# Allegro board ADRV9371-N_PCBZ_Layout_RevB.brd (continued)
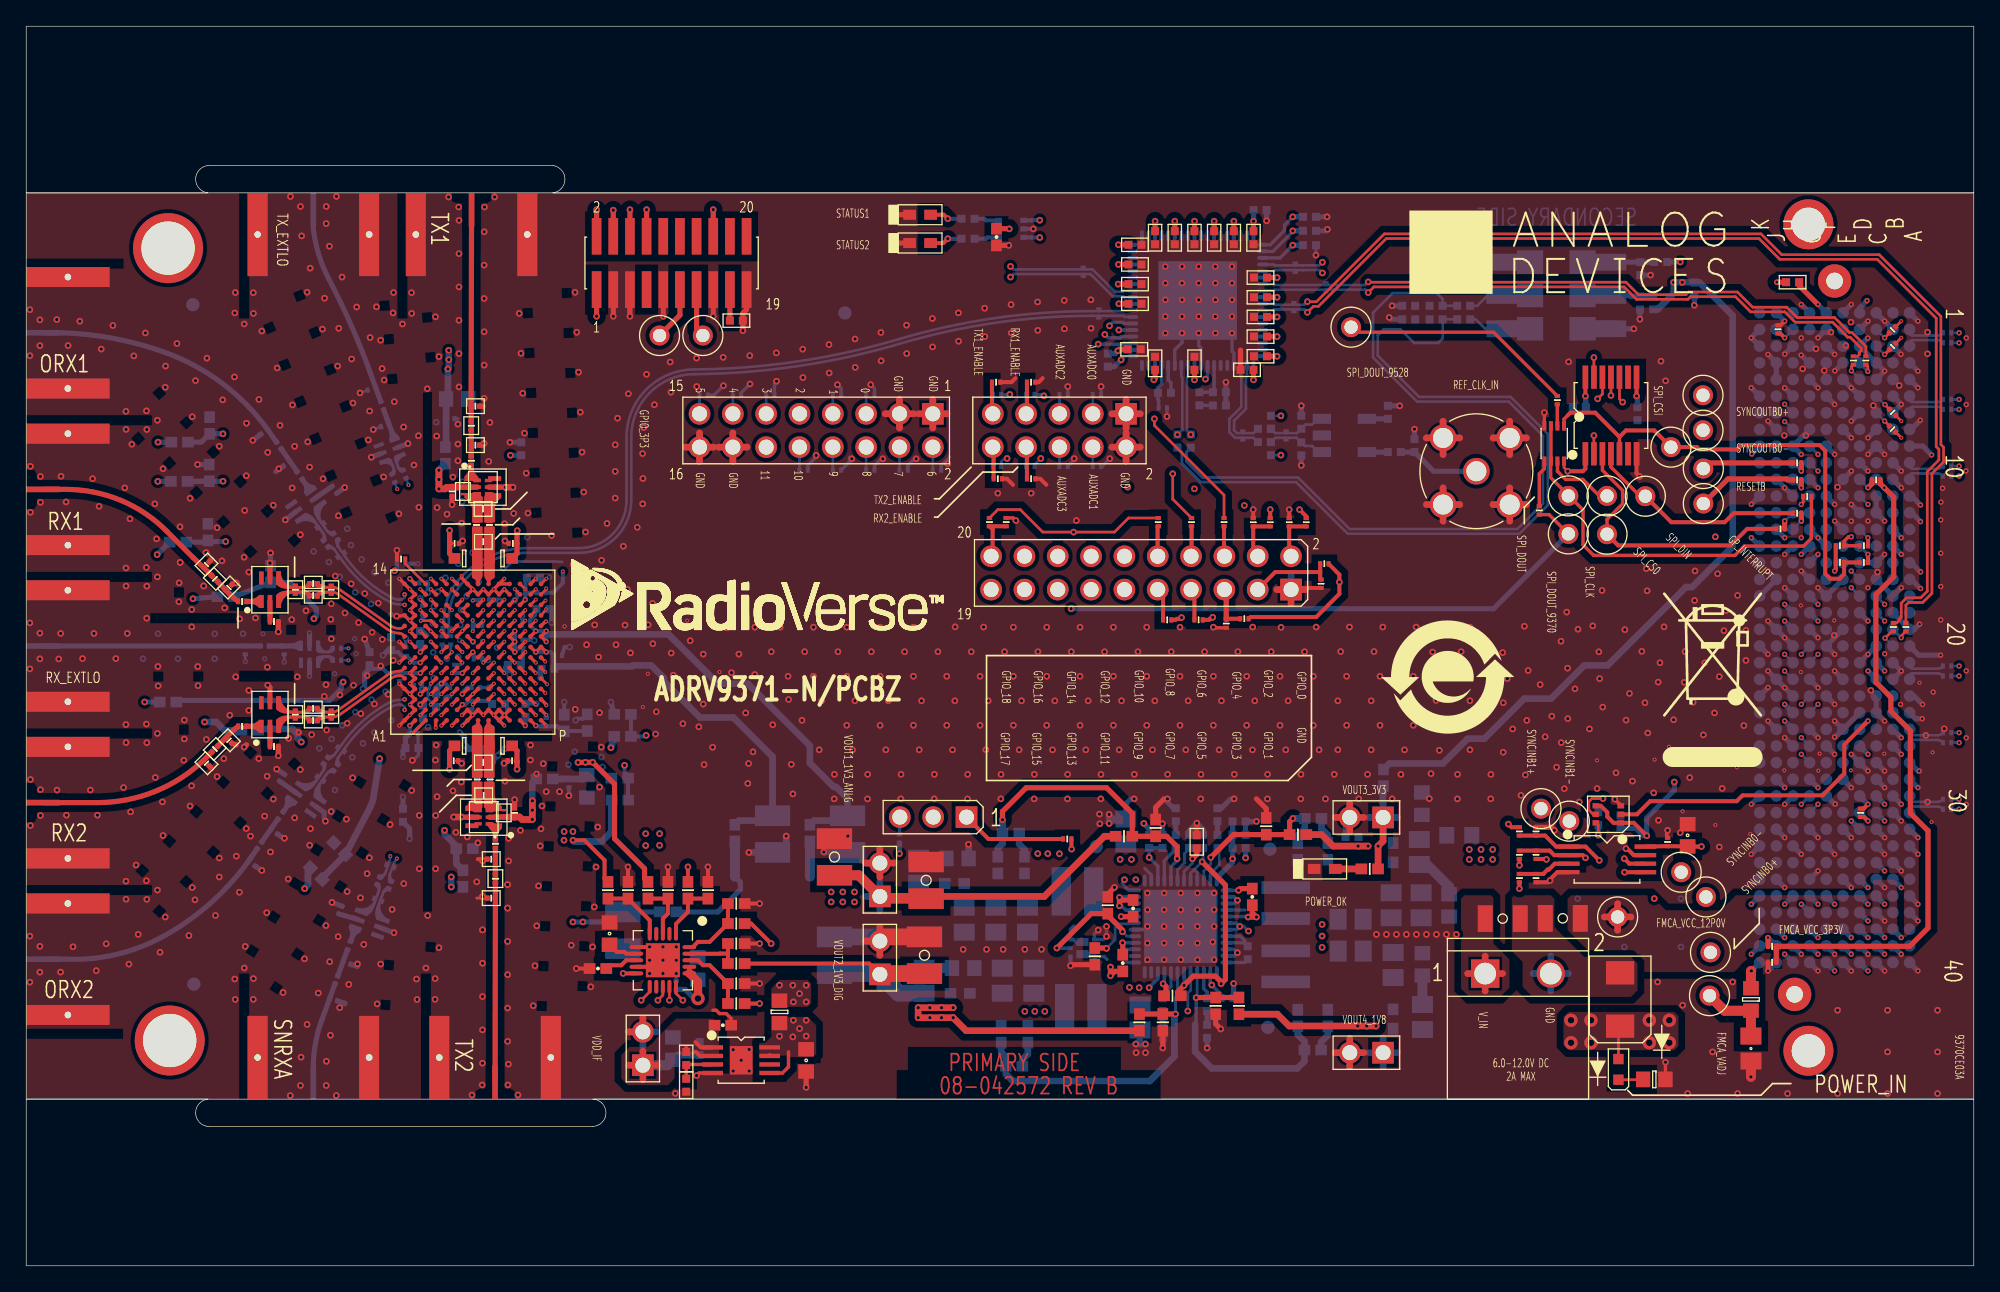
[diagram p0: board, top side]
## Routing (per net, layer and track width the routed paths; a pad name or vN(x,y) marks a point on that pad's centre or on a via; arc(x,y) is an arc through that point) (continued)
VDD_IF: length 250.6
  TOP w0.203: v1(117.49,60.57) 117.21,60.84 U403.8
  TOP w0.254: U101.M12 v2(38.04,50.78)
  TOP w0.305: U405.1 118.84,60.76 118.64,60.57 v1(117.49,60.57) ; R513.1 97.56,57.13 v1(97.05,57.64) ; 51.01,17.05 51.41,16.64 U702.1 ; 51.03,16.31 51.35,15.99 U702.2 ; R510.1 93.34,49.45 98.32,49.45 100.09,51.22 v1(100.09,52.12) 100.09,52.69 R512.1 ; R739.2 50.3,16.65 ; U405.8 v1(122.74,66.3) ; v1(123.51,32.78) 122.53,33.76 U404.1 120.98,33.76 120.51,34.24 120.51,34.57 120.01,35.06 U404.4 ; R808.1 R809.1 137.92,53.04 v2(137.83,52.96) ; R606.1 55.25,26.09 v1(56.78,24.56) ; R511.1 v1(94.81,57.64)
  TOP w0.394: R503.1 132.75,25.02 v2(132.75,25.02) ; P504.1 v1(43.47,72.38)
  TOP w0.508: 45.92,15.29 P707.1 ; P707.1 47,16.37 ; P707.1 47,14.21 ; P707.1 48.08,15.29
  TOP w0.762: v1(131.48,22.48) 131.45,22.45 R738.2
  L3_PWR w0.508: v1(94.81,57.64) 95.64,58.46 96.52,58.46 97.05,57.93 v1(97.05,57.64) 100.09,54.61 v1(100.09,52.12)
  L3_PWR w0.635: 123.51,29.8 122.21,28.49 119.45,28.49 118.91,27.96 95.23,27.96 93.51,29.67 85.83,29.67 85.37,30.12 80.03,30.12 v1(78.75,31.41) 77.87,31.41 v1(77.86,31.42) v1(77.1,31.42) ; 123.51,29.8 v1(123.51,32.78) ; 123.51,29.8 127.04,26.27 131.5,26.27 v2(132.75,25.02) 132.75,23.75 v1(131.48,22.48)
  L12_PWR w0.203: 56.78,22.65 v1(56.78,24.56)
  L12_PWR w0.508: 125.36,52.88 125.36,59.86 122.74,62.49 v1(122.74,66.3) ; 45.92,15.29 P707.1 ; P707.1 47,14.21 ; P707.1 47,16.37 ; P707.1 48.08,15.29 ; 115.2,53.13 115.2,59.48 116.28,60.57 v1(117.49,60.57)
  L12_PWR w0.762: v1(43.47,72.38) 45.56,74.47 68.34,74.47 69.99,72.82 69.99,68.5 71.38,67.1 71.38,61.39 72.65,60.12 76.97,60.12 78.5,58.59 78.5,57.7 ; 76.08,55.67 48.27,55.67 45.53,52.94 43.63,52.94 41.47,50.78 v2(38.04,50.78)
  BOTTOM w0.305: C642.1 38.05,50.79 v2(38.04,50.78) ; C642.1 38.05,52.33 C643.1 ; C642.1 R502.1
  BOTTOM w0.394: P801.J39 v2(132.75,25.02) ; P801.K40 v1(131.48,22.48) ; C415.2 122.7,33.33 123.26,32.78 v1(123.51,32.78) 123.51,34.14 125.61,36.24 v1(125.61,36.88) ; C417.2 122.81,66.23 v1(122.74,66.3)
  BOTTOM w0.508: C734.2 49.64,16.06 C735.2
  BOTTOM w0.762: C734.2 48.87,15.29 P707.1
VDD_IF_LDO: length 2.9
  TOP w0.254: 58.1,16.32 58.1,15.16 57.63,14.69 U702.5
  TOP w0.305: U702.7 56.66,16.06
  vias: v1(57.41,17.5) v1(58.47,18.72) v1(58.43,17.45) v1(58.94,18.08) v1(59.45,18.72) v1(59.45,17.51)
VDDA_1P8_1: length 8.1
  TOP w0.127: L306.1 36.39,34.2
  TOP w0.394: T310.2 T306.2 35.77,34.2 36.78,34.2
  TOP w0.508: 36.78,34.2 37.21,34.2 C327.1 37.6,34.21 37.79,34.02 v1(38.57,34.02) v1(38.57,34.73) v1(38.57,35.44)
  BOTTOM w0.508: v1(38.57,34.02) v1(38.57,34.73) v1(38.57,35.44) 38.57,36.81 L341.2
VDDA_1P8_2: length 6.7
  TOP w0.127: L305.1 33.28,59.35
  TOP w0.394: 32.9,59.35 33.91,59.35 T305.2 T309.2
  TOP w0.508: 32.9,59.35 32.47,59.35 C322.1 32.05,59.34 31.93,59.22 v1(31.45,59.22) v1(31.45,59.93) v1(31.45,60.64)
  BOTTOM w0.394: 32.01,61.13 L340.2
  BOTTOM w0.508: v1(31.45,59.22) v1(31.45,59.93) v1(31.45,60.64) 31.46,60.64 L340.2
VDDA_CALPLL: length 17.7
  TOP w0.254: v2(33.24,43.58) U101.G4
  L7_SIG w0.203: v2(33.24,43.58) 33.5,43.58 33.88,43.19 34.16,43.19 34.43,42.93 34.43,41.58
  L7_SIG w0.394: v1(31.89,33.19) 31.89,34.88 32.49,35.48 33.03,35.48 34.43,36.88 34.43,41.58
  BOTTOM w0.305: v2(33.24,43.58) 33.24,43.69 33.62,44.07 C615.1
  BOTTOM w0.508: v1(31.89,33.19) 31.89,32.9 32.78,32.01 32.78,30.65 E602.2
VDDA_CLK: length 4.7
  TOP w0.254: v2(38.84,41.18) U101.N1
  BOTTOM w0.305: C616.1 41.03,40.76 E603.2 ; v2(38.84,41.18) 38.89,41.12 C617.1 40.47,41.12 40.86,40.74
  BOTTOM w0.394: C616.1 40.86,40.74
VDDA_CLKSYNTH: length 23.2
  TOP w0.254: v2(33.24,45.18) U101.G6
  L3_PWR w0.127: v1(47.25,40.43) 47,40.69 41.54,40.69 39.99,39.14 36.97,39.14 36.42,39.68 36.06,39.68 34.42,41.33 34.42,44.53 34.2,44.76 33.66,44.76 v2(33.24,45.18)
  BOTTOM w0.305: v1(47.25,40.43) 47.17,40.35 E604.2 46.08,40.36 C618.1 ; C619.1 33.23,45.18 v2(33.24,45.18)
VDDA_DES: length 38.8
  TOP w0.254: v2(39.64,48.38) U101.P9 v2(39.64,47.58) ; U101.N9 v2(38.84,48.38)
  BOTTOM w0.305: C653.1 38.76,49.91 38.76,49.6 38.42,49.26 C654.1 38.42,48.8 v2(38.84,48.38) v2(39.64,48.38) 39.64,48.05 v2(39.64,47.58)
  BOTTOM w0.508: 39.64,48.05 39.71,48.13 48.95,48.13 52.71,44.37 55,44.37 59.73,39.64 59.73,38.32 61.55,36.5 61.73,36.5 62.6,35.63 C652.1 62.23,33.93 60.05,33.93 E613.2
VDDA_RXLO: length 17
  TOP w0.254: U101.C6 v2(30.04,45.18)
  L12_PWR w0.508: v1(20.96,39.92) 21.6,39.92 v3(25.66,43.99)
  BOTTOM w0.203: C621.1 28.46,45.18
  BOTTOM w0.305: v2(30.04,45.18) 27.52,45.18 27.2,45.5 26.45,45.5 C620.1
  BOTTOM w0.394: v3(25.66,43.99) 25.79,44.12 25.79,45.13 26.17,45.51 C620.1
  BOTTOM w0.508: E605.2 17.76,40.92 20.29,40.92 20.71,40.5 20.71,40.18 v1(20.96,39.92)
VDDA_RXSYNTH: length 25.6
  TOP w0.254: U101.G9 v2(34.04,47.58)
  L5_SIG w0.114: v2(34.04,47.58) 33.57,47.11 33.57,46.12 34.39,45.3
  L5_SIG w0.127: 34.39,45.3 34.39,41.1
  L5_SIG w0.203: 43.4,40.98 41.83,40.98 39.99,39.14 37.02,39.14 36.44,39.72 35.77,39.72 34.39,41.1
  L5_SIG w0.305: v1(45.6,38.15) 45.6,38.63 45.81,38.83 45.81,39.75 44.57,40.98 43.4,40.98
  BOTTOM w0.305: C623.1 34.07,47.54 v2(34.04,47.58) ; v1(45.6,38.15) 45.6,37.64 45.87,37.37 C622.1 E606.2
VDDA_RXTX: length 33.8
  TOP w0.203: v2(33.24,42.78) U101.F2
  L10_SIG w0.203: 33.66,41.82 33.66,42.07 33.24,42.49 v2(33.24,42.78) 33.29,42.72 33.56,42.72 33.88,42.39 34.16,42.39 34.42,42.13 34.42,41.82 34.05,41.45 34.03,41.45 33.66,41.82
  L10_SIG w0.394: 34.03,41.45 34.68,40.79 34.68,34.97 35.7,33.96 35.7,30.97 36.93,29.74 36.97,29.74 39.74,26.97 40.9,26.97 v1(41.67,26.21) v1(42.43,26.21)
  BOTTOM w0.305: C609.1 35.26,43.06 C610.1 33.75,43.06 33.47,42.78 v2(33.24,42.78)
  BOTTOM w0.394: v1(41.67,26.21) v1(42.43,26.21) 43.95,26.21 44.71,26.97 C608.1 48.27,26.97
VDDA_RXVCO: length 21.4
  TOP w0.254: U101.C7 v2(30.04,45.98)
  L12_PWR w0.394: v3(27.19,46.53) 26.42,46.53 24.9,45 24.66,45 v1(24.16,44.5)
  BOTTOM w0.305: v2(30.04,45.98) 29.52,45.98 29,46.49 C625.1 28.62,46.49 28.33,46.78 27.96,46.78 C624.1
  BOTTOM w0.394: v3(27.19,46.53) 27.58,46.92 C624.1 ; 11.44,42.97 11.57,43.1 23.12,43.1 24.01,43.99 24.01,44.35 v1(24.16,44.5)
VDDA_SER: length 31.6
  TOP w0.254: v2(39.64,46.78) U101.P8 v2(38.84,46.78) U101.N8
  BOTTOM w0.305: C613.1 39.96,46.78 v2(39.64,46.78) v2(38.84,46.78)
  BOTTOM w0.394: C613.1 40.2,45.56 C612.1
  BOTTOM w0.508: E601.2 54.33,33.93 56.52,33.93 C611.1 56.88,38.8 53.9,41.79 51.36,41.79 48.61,44.54 48.61,44.8 47.63,45.77 46.24,45.77 46.16,45.69 40.48,45.69 40.47,45.69 C612.1
VDDA_SNRXSYNTH: length 23.4
  TOP w0.254: U101.G7 v2(34.04,46.78)
  L12_PWR w0.127: v2(34.04,46.78) 33.61,47.21 33.61,47.73 33.23,48.1 31.11,48.1 31,47.99 30.48,47.99
  L12_PWR w0.394: v1(21.92,49.32) 22.68,50.08 25.59,50.08 27.11,48.56 29.35,48.56 29.91,47.99 30.48,47.99
  BOTTOM w0.305: C627.1 34.11,46.71 v2(34.04,46.78)
  BOTTOM w0.394: v1(21.92,49.32) 22.11,49.51 22.11,50.08 20.11,52.09 C626.1 18.61,52.09 E608.2
VDDA_SNRXVCO: length 19.6
  TOP w0.254: v2(30.04,43.58) U101.C4
  L12_PWR w0.203: 27.17,42.64 28.52,43.99 29.63,43.99 v2(30.04,43.58)
  L12_PWR w0.508: v1(26.93,38.65) 27.31,39.04 27.31,41.19 27.19,41.31 27.19,41.32 27.17,41.34 27.17,42.64
  BOTTOM w0.203: v2(30.04,43.58) 30.04,44.05 30.17,44.18 C629.1
  BOTTOM w0.508: v1(26.93,38.65) 26.43,35.5 26.23,34.97 C628.1 22.56,29.57 E609.2
VDDA_TXLO: length 29.9
  TOP w0.254: v6(33.24,50.78) U101.F12
  L10_SIG w0.394: v5(34.03,50.71) 33.97,50.78 v6(33.24,50.78)
  L12_PWR w0.203: 29.09,53.51 30.64,51.96 31.66,51.96 33.05,50.57 33.89,50.57 v5(34.03,50.71)
  L12_PWR w0.394: v1(15,63.42) 16.84,63.42 17,63.58 17.76,63.58 22.87,58.47 24.77,58.47 29.09,54.15 29.09,53.51
  BOTTOM w0.305: C635.1 34.07,50.75 v5(34.03,50.71)
  BOTTOM w0.394: E612.2 13.34,62.78 C634.1 v1(15,63.42)
VDDA_TXSYNTH: length 30
  TOP w0.254: v6(33.24,47.58) U101.G8
  L10_SIG w0.127: v6(33.24,47.58) 32.85,47.97 29.81,47.97 29.6,48.18 29.6,48.56 29.44,48.72 28.78,48.72 28.74,48.76
  L10_SIG w0.254: 28.74,48.76 27.97,48.76 27.57,49.16 27.57,50.2 27.82,50.46 27.82,52.73 v1(28.08,52.98) 28.08,53.39 25.16,56.31 22.36,56.31 22.11,56.56 20.58,56.56 19.33,55.31 15.3,55.31 v1(15.2,55.21)
  BOTTOM w0.305: v1(28.08,52.98) 28.25,53.15 C633.1
  BOTTOM w0.394: v1(15.2,55.21) 13.94,55.21 C632.1 13.73,55.16 E611.2
VDDA_TXVCO: length 32.5
  TOP w0.254: v6(33.24,49.18) U101.F11
  L5_SIG w0.203: 27.06,49.71 27.98,48.79 30.18,48.79 30.46,48.52 30.46,48.22 30.68,47.99 33.66,47.99 v5(34.04,48.38)
  L5_SIG w0.305: v6(33.24,49.18) 34.01,49.18 v5(34.04,49.21)
  L5_SIG w0.394: 27.06,49.71 25.46,49.71 22.3,52.87 22.3,56.12 19.72,58.69 16.11,58.69 v1(15,59.8)
  BOTTOM w0.305: v5(34.04,48.38) 34.04,48.38 34.04,48.81 ; 34.04,48.81 v5(34.04,49.21) ; 34.04,48.81 C631.1
  BOTTOM w0.394: v1(15,59.8) C630.1 ; C630.1 12.58,59.8 12.57,59.79 ; C630.1 13.94,59.79 12.57,59.79 ; 12.57,59.79 E610.2
1P3_BUCK_OUT: length 25.4
  L8_SIG w0.394: v1(77.64,19.39) v1(76.87,19.39) v1(76.11,19.39) 75.41,20.1 75.41,31.12 77.23,32.94 84.4,32.94 v1(85.18,33.72)
  BOTTOM w0.394: R705.1 85.59,33.31 v1(85.18,33.72)
3P3V_CLK: length 43.2
  TOP w0.203: v1(119.82,32.83) 119.82,33.58 U404.6
  TOP w0.305: U405.14 v1(118.84,66.3)
  TOP w0.394: C422.2 v1(83.24,76.33) ; C437.2 v1(89.04,79.63) ; C428.2 v1(93.54,67.53) ; v1(74.93,79.04) 74.91,79.05 C414.2 ; v1(85.94,67.54) 85.94,67.54 86.04,67.63 C426.2 ; C430.2 v1(95.34,70.83) ; C435.2 v1(92.04,79.63) ; C429.2 v1(95.34,69.33) ; C434.2 v1(93.54,79.63) ; C433.2 v1(95.34,75.33) ; C421.2 v1(83.24,77.83) ; C438.2 v1(87.54,79.63) ; v1(83.2,69.75) 83.31,69.86 C425.2 ; C427.2 v1(89.04,67.53) ; C432.2 v1(95.34,73.83) ; C431.2 v1(95.34,72.33) ; C424.2 v1(83.28,73.33) ; v1(83.22,74.83) C423.2 ; C436.2 v1(90.54,79.63) ; C439.2 v1(86.04,79.63)
  BOTTOM w0.203: U401.51 92.04,78.53 ; U401.1 v1(93.54,67.53) ; U401.69 94.41,70.83 94.41,70.83 ; U401.16 86.04,68.45 ; U401.10 89.04,68.45 89.04,68.45 ; U401.63 94.24,73.83 ; U401.45 89.04,78.53 ; U401.36 84.34,77.83
  BOTTOM w0.254: U401.20 83.82,69.83 83.8,69.81 83.72,69.81 83.66,69.75 v1(83.2,69.75) ; 89.04,78.53 v1(89.04,79.63) ; U401.54 v1(93.54,79.63) ; U401.42 87.54,79.63 v1(87.54,79.63) ; 84.34,77.83 v1(83.24,77.83) ; 92.04,78.53 v1(92.04,79.63) ; 94.24,73.83 v1(95.34,73.83) ; U401.66 v1(95.34,72.33) ; 86.04,68.45 86.04,67.63 85.94,67.54 v1(85.94,67.54) ; U401.27 v1(83.28,73.33) ; U401.60 v1(95.34,75.33) ; U401.39 v1(86.04,79.63) ; U401.33 v1(83.24,76.33) ; 89.04,68.45 v1(89.04,67.53) ; U401.30 v1(83.22,74.83) ; 94.41,70.83 v1(95.34,70.83) ; v1(95.34,69.33) U401.72 ; U401.48 v1(90.54,79.63)
  BOTTOM w0.305: U402.5 v1(74.93,79.04)
  BOTTOM w0.394: C420.1 93.55,79.63 v1(93.54,79.63) ; C418.2 118.87,66.26 v1(118.84,66.3) ; C416.2 v1(119.82,32.83) ; R416.1 82.98,69.53 v1(83.2,69.75)
  vias: v1(109.99,31.73) v1(109.99,30.97) v1(110.88,31.73) v1(110.88,30.97) v1(111.77,31.73) v1(111.77,30.97)
3P3V_VCO: length 65
  BOTTOM w0.305: 127.01,74.97 127.01,74.96 C738.2
  BOTTOM w0.394: v1(109.41,76.5) C405.2 Y402.6 Y403.4 Y401.6
  BOTTOM w0.508: E706.2 103.91,38.29 107.97,38.29 109.86,40.18 111.13,40.18 114.18,43.23 116.21,43.23 118.75,45.77 120.53,45.77 126.5,51.74 126.97,51.74 130.06,54.83 130.06,72.44 127.53,74.97 v1(126.23,74.97) v1(125.56,74.97) 125.56,74.13 124.82,73.39 124.35,72.91 R408.2
3P3VAUX: length 101.7
  TOP w0.305: v1(127.68,31.96) 127.52,31.96 C804.1 125.17,31.99 125.17,31.99 C803.2 U801.8 ; U601.17 U601.16 ; R818.2 113.21,33.43 v1(112.97,33.67) ; R820.2 v1(113.8,30.53) ; R822.2 v1(113.8,28.75) ; U601.10 v1(45.49,22.29)
  TOP w0.635: v7(51.2,20.37) 51.2,21.64 50.55,22.29 U601.16
  L10_SIG w0.394: v7(51.2,20.37) 50.18,21.38 46.4,21.38 v1(45.49,22.29)
  L10_SIG w0.762: v1(112.97,33.67) 113.8,32.83 v1(113.8,30.53) v1(113.8,28.75) 113.8,21.51 106.05,13.76 61.6,13.76 59.19,16.18 57.03,16.18 52.84,20.37 v7(51.2,20.37)
  BOTTOM w0.394: C649.1 50.22,21.07 50.91,20.37 v7(51.2,20.37) 51.19,20.38 C648.1 ; P801.D32 v2(139.1,33.91)
ADP5054_EN: length 108.4
  TOP w0.305: R702.1 79.66,31.77 v1(79.68,31.76)
  L8_SIG w0.394: v1(79.68,31.76) 79.73,31.81 97.31,31.81 98.31,32.81 115.71,32.81 116.34,32.18 119.54,32.18 119.55,32.17 120.09,32.17 120.1,32.18 121.39,32.18 121.66,32.45 122.42,32.45 122.82,32.05 126.25,32.05 127.56,30.74 135.52,30.74 137.17,32.39 137.17,32.89 141.39,37.12 141.89,37.12 143.52,38.74 143.52,38.78 143.57,38.84 143.57,72.45 142.46,73.57 v2(140.3,73.57)
  BOTTOM w0.394: v2(140.3,73.57) 139.74,73.01 P801.D1
ADP5054_VREG: length 20.4
  TOP w0.394: v1(89.62,30.8) 91.4,29.02 91.4,21.83 v1(91.07,21.5) 91.04,21.53 91.04,21.68 90.64,22.08 88.95,22.08 v1(88.25,21.38) 87.86,20.99 87.86,20.73 R703.2
  BOTTOM w0.203: 89.03,30.2 88.75,29.92 U701.44 ; 89.03,30.2 89.25,29.98 U701.45 ; 89.03,30.2 v1(89.62,30.8) 89.7,30.87 C702.2
  BOTTOM w0.254: v1(91.07,21.5) 90.75,21.82 U701.13 ; U701.18 v1(88.25,21.38)
AUXADC_0: length 66
  TOP w0.254: U101.E13 v6(31.64,51.58)
  L5_SIG w0.114: P501.3 81.29,66.02 79.13,68.18 72.46,68.18 70.3,66.02 70.3,61.96 68.38,60.04 47.71,60.04 47.22,60.53 46.14,60.53 45.65,60.04 44.68,60.04 44.38,60.34 44.38,60.38 44.26,60.5 39.82,60.5 37.86,58.53 36.65,58.53 34.68,56.56 34.68,53.13 32.79,51.24 31.97,51.24 v6(31.64,51.58)
  BOTTOM w0.203: C506.1 P501.3
AUXADC_1: length 88.3
  TOP w0.254: U101.C11 v6(30.04,49.98)
  L5_SIG w0.114: P501.4 82.46,63.58 82.46,67.33 80.43,69.35 68.17,69.35 67.84,69.02 66.29,69.02 65.82,69.5 63.15,69.5 61.86,70.79 55.82,70.79 54.9,69.87 47.84,69.87 47.8,69.9 47,69.9 45.86,68.75 36.33,68.75 33.98,71.1 30.81,71.1 28.77,69.07 28.77,67.55 28.08,66.85 27.44,66.85 26.99,66.4 26.99,61.56 26.53,61.09 26.51,61.09 25.66,60.24 25.66,56.01 28.77,52.9 28.77,52.18 29.04,51.91 29.38,51.91 29.6,51.69 29.6,50.41 v6(30.04,49.98)
  BOTTOM w0.203: C505.1 P501.4
AUXADC_2: length 64.2
  TOP w0.254: U101.C12 v6(30.04,50.78)
  L5_SIG w0.114: v6(30.04,50.78) 30.41,50.4 32.39,50.4 33.7,51.72 33.9,51.91 33.97,51.91 35.19,53.13 35.19,56.11 36.94,57.86 38.01,57.86 39.76,59.61 46.68,59.61 46.93,59.36 69.19,59.36 70.88,61.04 70.88,61.56 70.88,61.56 70.88,61.99 70.88,61.99 70.88,65.52 72.84,67.48 77.29,67.48 78.75,66.02 P501.5
  BOTTOM w0.203: 78.75,66.42 P501.5
AUXADC_3: length 64.8
  TOP w0.254: U101.D11 v6(30.84,49.98)
  L5_SIG w0.114: P501.6 77.42,63.74 77.42,65.45 75.89,66.98 73.22,66.98 71.38,65.13 71.38,60.63 69.48,58.72 45.42,58.72 45.1,59.04 43.5,59.04 42.62,58.15 40.59,58.15 39.25,56.82 37.44,56.82 36.39,55.77 36.28,55.77 35.63,55.12 35.63,53.07 34.43,51.86 34.43,51.35 34.12,51.05 33.9,51.05 33.7,50.85 33.7,50.63 33.38,50.31 33.1,50.31 32.9,50.12 32.9,49.96 32.58,49.64 31.17,49.64 v6(30.84,49.98)
  BOTTOM w0.203: 78.75,60.93 P501.6
BAL_TX1+: length 0.5
  TOP w0.127: L305.2 33.79,58.82
BAL_TX2+: length 0.7
  TOP w0.127: T306.3 35.88,34.73 L306.2
BAL_TX_OUT1: length 1
  TOP w0.203: T305.1 33.92,60.36 ; 33.92,60.94 C305.1
  TOP w0.394: 33.92,60.36 33.92,60.94
BAL_TX_OUT2: length 1
  TOP w0.203: C306.1 35.76,32.62 ; T306.1 35.76,33.19
  TOP w0.394: 35.75,33.01 35.75,33 ; 35.76,32.62 35.76,33.19
CLK+: length 7.5
  BOTTOM w0.203: 92.72,63.47 92.28,63.47 92.06,63.69 92.06,64.42 92.97,65.32 92.97,67.76 93.04,67.83 U401.2 ; 92.72,63.47 R406.1 ; 92.72,63.47 93.54,63.47 C402.2
CLK-: length 8.1
  BOTTOM w0.203: 92.72,63.12 92.13,63.12 91.7,63.55 91.7,64.56 92.61,65.47 92.61,67.76 92.54,67.83 U401.3 ; 92.72,63.12 R406.2 ; 92.72,63.12 93.54,63.12 C403.2
CLK_RESETB: length 109.6
  TOP w0.203: v1(120.18,35.62) 119.33,35.62 119.1,35.38 119.1,34.74 119.43,34.41 U404.5
  L7_SIG w0.114: v1(120.18,35.62) 120.18,35.45 120.91,34.72 125.36,34.72 127.64,37 135.24,37 137.37,39.14 137.37,39.18 137.64,39.45 137.69,39.45 138.87,40.64 138.87,41.25 142.25,44.62 142.25,59.61 141.94,59.92 137.82,59.92 137.68,59.77 134.72,59.77 132.09,62.4 127.39,62.4 125.23,64.56 117.61,64.56 114.94,67.23 94.75,67.23 92.92,69.06 v1(83.45,69.06)
  BOTTOM w0.203: U401.19 83.72,69.33 v1(83.45,69.06)
  BOTTOM w0.394: v1(83.45,69.06) 82.93,68.54 R416.2
CLK_SYSREF_REQUEST: length 32.4
  TOP w0.203: U405.13 v1(119.49,69.23)
  L7_SIG w0.114: v1(96.53,77.8) 96.53,76.24 98.31,74.47 99.96,74.47 102.75,71.67 117.04,71.67 v1(119.49,69.23)
  BOTTOM w0.254: R417.2 97.17,77.8 ; U401.57 94.92,76.83 95.57,76.83 v1(96.53,77.8)
  BOTTOM w0.394: 97.17,77.8 v1(96.53,77.8)
COMP_OUT: length 4.9
  BOTTOM w0.203: Y401.5 Y402.5 111.38,73.96 110.59,73.18 R411.1
DEV_CLK_IN+: length 66.7
  BOTTOM w0.203: 81.75,72.41 R425.1 ; 81.75,72.41 83.63,72.41 83.72,72.33 U401.25 ; 81.75,72.41 81.24,72.41 arc(73.86,71.88) 66.64,70.3 arc(58.87,68.59) 50.94,67.97 50.94,67.97 arc(47.52,66.56) 46.11,63.14 46.11,58.34 arc(44.94,55.52) 42.12,54.35 38.29,54.35 arc(35.41,53.73) 33.1,51.9 arc(32.44,50.7) 32.21,49.34 32.21,48.56 ; 32.21,48.56 32.21,48.29 arc(32.24,48.12) C502.1 ; 32.21,48.56 R501.2
DEV_CLK_IN-: length 67.3
  BOTTOM w0.203: 81.75,72.77 83.62,72.77 83.68,72.83 U401.26 ; 81.75,72.77 81.24,72.77 arc(73.81,72.23) 66.54,70.64 arc(58.82,68.94) 50.94,68.32 arc(47.27,66.81) 45.75,63.14 45.75,58.34 arc(44.69,55.77) 42.12,54.7 38.29,54.7 arc(35.26,54.05) 32.83,52.13 arc(32.1,50.82) 31.85,49.34 31.85,48.56 ; 81.75,72.77 R425.2 ; 31.85,48.56 31.85,48.29 arc(31.81,48.12) C501.1 ; 31.85,48.56 R501.1
DIR_CLK+: length 4.6
  BOTTOM w0.203: 96.02,63.47 96.85,63.47 R403.2 97.49,64.12 97.99,64.12 98.43,64.56 T401.1 ; 96.02,63.47 95.2,63.47 C402.1 ; 96.02,63.47 R405.1
DIR_CLK-: length 4.6
  BOTTOM w0.203: 96.02,63.12 95.2,63.12 C403.1 ; 96.02,63.12 96.83,63.12 R404.1 97.46,62.49 98.01,62.49 98.48,62.02 T401.3 ; 96.02,63.12 R405.2
EPROM_A0: length 115.9
  TOP w0.203: v1(46.87,20.24) 47.52,20.89 U601.11
  TOP w0.305: v1(119.89,30.91) 118.85,31.95 U801.1 116.61,31.95 115.77,32.79 R819.2 R818.1
  L8_SIG w0.114: v1(119.89,30.91) 119.39,30.91 114.31,25.83 102.5,25.83 94.18,17.51 81.86,17.51 80.78,16.43 57.67,16.43 52.34,21.76 48.39,21.76 v1(46.87,20.24)
  L10_SIG w0.114: v2(141.64,30.1) 139.72,30.1 137.37,27.75 137.37,27.55 136.53,26.72 124.08,26.72 v1(119.89,30.91)
  BOTTOM w0.394: P801.C34 v2(141.64,30.1)
EPROM_A1: length 115.9
  TOP w0.203: v1(48.14,20.24) 48.52,20.62 U601.13
  TOP w0.305: R820.1 R821.2 116.11,31.65 116.46,31.3 U801.2 118.64,31.3 v1(118.85,31.09)
  L8_SIG w0.114: v1(48.14,20.24) 49.03,21.13 52.21,21.13 57.61,15.73 97.23,15.73 105.8,24.3 114.31,24.3 120.53,30.53 120.53,31.03 120.02,31.54 119.26,31.54 118.85,31.13 v1(118.85,31.09)
  L10_SIG w0.114: v2(140.37,28.83) 137.5,25.95 123.98,25.95 v1(118.85,31.09)
  BOTTOM w0.394: P801.D35 v2(140.37,28.83)
FMC_CLK_RESETB: length 24
  TOP w0.305: U404.2 122.77,34.41 123.77,35.41 130.37,35.41 130.82,35.86 136.91,35.86 138.57,37.52 138.57,39.73 v2(140.37,41.53)
  BOTTOM w0.394: v2(140.37,41.53) P801.D26
FMC_SYSREF_REQUEST: length 49
  TOP w0.203: U405.2 v1(119.49,63.29)
  L8_SIG w0.114: v1(119.49,63.29) 121.74,61.03 125.84,61.03 126.86,62.05 129.4,62.05 132.77,58.67 140.65,58.67 142.25,57.07 142.25,48.64 141.9,48.28 141.87,48.31 141.48,48.31 141.21,48.04 141.21,47.8 140.22,47.8 139.35,46.94 139.35,40.01 v2(140.37,38.99)
  BOTTOM w0.394: v2(140.37,38.99) P801.D27
FMCA_SCL: length 107.4
  TOP w0.203: U601.15 49.52,20.76 v1(50.05,20.24)
  TOP w0.305: v1(121.8,31.03) 122.19,30.65 U801.6
  L8_SIG w0.114: v1(121.8,31.03) 120.91,30.15 120.91,29.89 114.25,23.22 114.25,21.07 108.21,15.03 57.41,15.03 53.73,18.72 51.57,18.72 v1(50.05,20.24)
  L10_SIG w0.114: v2(141.64,35.18) 141.06,34.59 133.87,34.59 130.69,31.41 122.68,31.41 122.31,31.03 v1(121.8,31.03)
  BOTTOM w0.394: v2(141.64,35.18) P801.C30
FMCA_SDA: length 110
  TOP w0.203: U601.14 v1(49.02,20.24)
  TOP w0.305: v1(121.82,30) U801.5
  L8_SIG w0.114: v1(121.82,30) 121.82,29.91 114.75,22.84 114.75,20.43 108.59,14.27 53.6,14.27 49.02,18.85 v1(49.02,20.24)
  L10_SIG w0.114: v1(121.82,30) 123.98,30 125.1,28.88 126.88,28.88 127.52,29.51 137.3,29.51 141.64,33.86 v2(141.64,33.91)
  BOTTOM w0.394: v2(141.64,33.91) P801.C31
FMCA_VADJ: length 13.2
  TOP w0.762: TP812.1 129.45,19.44 131.44,19.44 ; 131.44,19.44 R738.1 ; 131.44,19.44 131.45,19.43 C732.1
  L12_PWR w0.508: 127.28,20.59 TP812.1 ; TP812.1 129.31,20.59 ; TP812.1 128.3,19.57 ; TP812.1 128.3,21.61
  BOTTOM w0.394: P801.F40 v2(137.83,22.48) ; P801.H40 v2(134.02,23.75) ; P801.E39 v2(139.1,23.75) ; P801.G39 v2(136.56,23.75)
FMCA_VCC_3P3V: length 7.7
  L12_PWR w0.508: TP816.1 128.37,24.91 ; TP816.1 127.36,23.89 ; TP816.1 128.37,22.87 ; TP816.1 129.39,23.89
  BOTTOM w0.394: P801.C39 v2(141.64,23.75) ; P801.D36 v2(140.37,27.56) ; P801.D38 v2(140.37,25.02) ; P801.D40 v2(140.37,22.48)
FMCA_VCC_12P0V: length 5.9
  TOP w0.508: 121.29,25.57 TP815.1 ; TP815.1 120.28,26.59 ; TP815.1 122.31,26.59 ; TP815.1 121.29,27.61
  BOTTOM w0.394: P801.C35 v2(141.64,28.83) ; P801.C37 v2(141.64,26.29)
FPGA_AUX_CLK+: length 49.2
  TOP w0.203: v1(102.28,75) 102.3,74.98 121.93,74.98 122.88,74.02 126.5,74.02 126.7,74.23 130.43,74.23 131.58,73.07 134.18,73.07 134.97,72.28 137.82,72.28 138.97,71.14 139.16,71.14 140.22,70.09 C805.1
  BOTTOM w0.203: v1(102.28,75) 102.05,74.76 99.07,74.76 ; 99.07,74.76 R429.1 ; 99.07,74.76 95.1,74.76 95.04,74.83 U401.61
FPGA_AUX_CLK-: length 49.2
  TOP w0.203: C806.1 139.58,69.33 139.71,69.45 139.71,69.6 139.86,69.76 139.86,69.94 139.02,70.79 138.82,70.79 137.68,71.93 134.82,71.93 134.04,72.72 131.43,72.72 130.28,73.87 126.85,73.87 126.65,73.67 122.73,73.67 121.78,74.62 102.72,74.62 v1(102.28,74.18)
  BOTTOM w0.203: R429.2 99.07,74.4 ; 99.07,74.4 99.07,74.41 99.68,74.41 102.06,74.41 v1(102.28,74.18) ; 99.07,74.4 95.11,74.4 95.04,74.33 U401.62
FPGA_REF_CLK+: length 82
  TOP w0.203: 97.65,73.47 v1(97.65,73.49) 98.35,73.49 103.51,78.66 132.22,78.66 133.8,77.07 141.23,77.07 145.93,72.37 145.93,62.59 146.14,62.39 146.14,61.27 145.25,60.39 145.25,51.27 144.55,50.56 143.47,50.56 143.27,50.36 C801.2
  BOTTOM w0.203: R422.1 96.63,73.26 ; 96.63,73.26 97.41,73.26 v1(97.65,73.49) ; 96.63,73.26 95.11,73.26 95.04,73.33 U401.64
FPGA_REF_CLK-: length 82
  TOP w0.203: C802.2 142.57,49.01 142.76,49.2 142.76,49.28 142.91,49.44 142.91,50.51 143.32,50.92 144.4,50.92 144.89,51.41 144.89,60.54 145.78,61.42 145.78,62.24 145.58,62.45 145.58,72.23 141.09,76.72 133.66,76.72 132.07,78.3 103.66,78.3 98.49,73.14 98.11,73.14 v1(97.65,72.68)
  BOTTOM w0.203: 96.63,72.9 97.43,72.9 v1(97.65,72.68) ; 96.63,72.9 R422.2 ; 96.63,72.9 95.11,72.9 95.04,72.83 U401.65
FPGA_SYSREF+: length 98.5
  L7_SIG w0.091: v1(98.79,76.49) 107.65,76.49 108.53,75.61 117.46,75.61 122.8,70.28 131.07,70.28 133.66,67.69 137.07,67.69 142.23,62.53 143.77,62.53 145.3,61.01 145.3,45.39 146.06,44.62 146.06,42.25 144.8,41 144.46,41 143.65,40.18 143.65,33.57 142,31.92 139.39,31.92 136.06,28.59 136.06,27.96 136.45,27.56 v2(136.56,27.56)
  BOTTOM w0.203: 96.72,76.26 R423.2 ; 96.72,76.26 95.16,76.26 95.09,76.33 94.47,76.33 U401.58 ; 96.72,76.26 97.33,76.26 98.56,76.26 v1(98.79,76.49)
  BOTTOM w0.394: P801.G36 v2(136.56,27.56)
FPGA_SYSREF-: length 98.5
  L7_SIG w0.091: v1(98.79,75.68) 99.35,76.24 107.54,76.24 108.43,75.36 117.36,75.36 122.69,70.02 130.97,70.02 133.55,67.44 136.96,67.44 142.12,62.28 143.67,62.28 145.04,60.9 145.04,45.28 145.81,44.52 145.81,42.36 144.7,41.25 144.36,41.25 143.39,40.28 143.39,33.68 141.89,32.18 139.28,32.18 135.8,28.7 135.8,27.76 135.6,27.56 v2(135.29,27.56)
  BOTTOM w0.203: U401.59 95.09,75.83 95.16,75.9 96.72,75.9 ; R423.1 96.72,75.9 ; 96.72,75.9 97.33,75.9 98.56,75.91 98.57,75.91 v1(98.79,75.68)
  BOTTOM w0.394: P801.G37 v2(135.29,27.56)
GP_INTERRUPT: length 113.4
  TOP w0.254: U101.J5 v6(35.64,45.18)
  TOP w0.394: TP803.1 129.71,59.98 134.18,59.98 134.25,59.91 R803.1
  L7_SIG w0.114: TP803.1 127.72,58.1 122.37,52.75 103.64,52.75 99.83,56.56 89.69,56.56 87.64,54.51 87.64,53.91 86.48,52.75 85.73,52.75 84.89,51.9 84.89,49.87 83.18,48.16 82.8,48.16 78.22,43.58 78.19,43.58 77.88,43.28 77.88,43.25 77.19,42.55 55.15,42.55 54.93,42.78 52.53,42.78 51.98,43.33 46.77,43.33 45.26,44.84 40.14,44.84 40.14,44.84 38.7,44.84 38.37,45.16 38.37,45.32 38.18,45.51 37.9,45.51 37.7,45.32 37.7,45.16 37.38,44.84 35.97,44.84 v6(35.64,45.18)
GPIO_0: length 110.5
  TOP w0.254: U101.K8 v6(36.44,47.58)
  TOP w0.305: P502.2 96.26,54.23 R517.1 R513.2
  L7_SIG w0.114: v2(134.02,50.42) 133.82,50.21 130.01,50.21 129.76,50.46 129.34,50.46 129.07,50.2 126.95,50.2 126.81,50.34 100.15,50.34 P502.2
  L8_SIG w0.114: P502.2 96.4,54.91 94.88,56.43 82.05,56.43 81.03,55.42 80.05,55.42 80.04,55.41 79.62,55.41 79.61,55.42 72.4,55.42 66.3,49.32 51.19,49.32 50.03,48.16 47.78,48.16 46.91,47.29 45.63,47.29 45.16,46.83 44.74,46.83 44.65,46.92 43.41,46.92 43.15,46.66 40.31,46.66 39.77,47.19 37.08,47.19 36.69,47.58 v6(36.44,47.58)
  BOTTOM w0.394: v2(134.02,50.42) P801.H19
GPIO_1: length 125.5
  TOP w0.254: U101.J8 v6(35.64,47.58)
  TOP w0.305: 98.62,52.88 98.62,52.37 R516.1 ; 98.62,52.88 R512.2 ; 98.62,52.88 95.2,52.88 P502.3
  L7_SIG w0.114: P502.3 96.09,49.31 117.63,49.31 117.64,49.32 130.91,49.32 131.55,48.69 132.56,48.69 132.56,48.69 132.95,48.69 132.95,48.69 133.56,48.69 v2(134.02,49.15)
  L8_SIG w0.114: P502.3 93.86,50.34 91.77,48.24 91.77,44.69 90.56,43.48 90.56,42.97 85.86,38.27 59.32,38.27 58.56,37.51 54.49,37.51 54.11,37.13 45.22,37.13 43.45,38.9 42.05,38.9 40.14,40.81 37.6,40.81 36.78,41.64 36.3,41.64 36.1,41.84 36.1,42.06 34.43,43.74 34.43,46.84 34.75,47.16 35.23,47.16 v6(35.64,47.58)